# Altium PCB PCB1.PcbDoc (part 1 of 2) (continued)
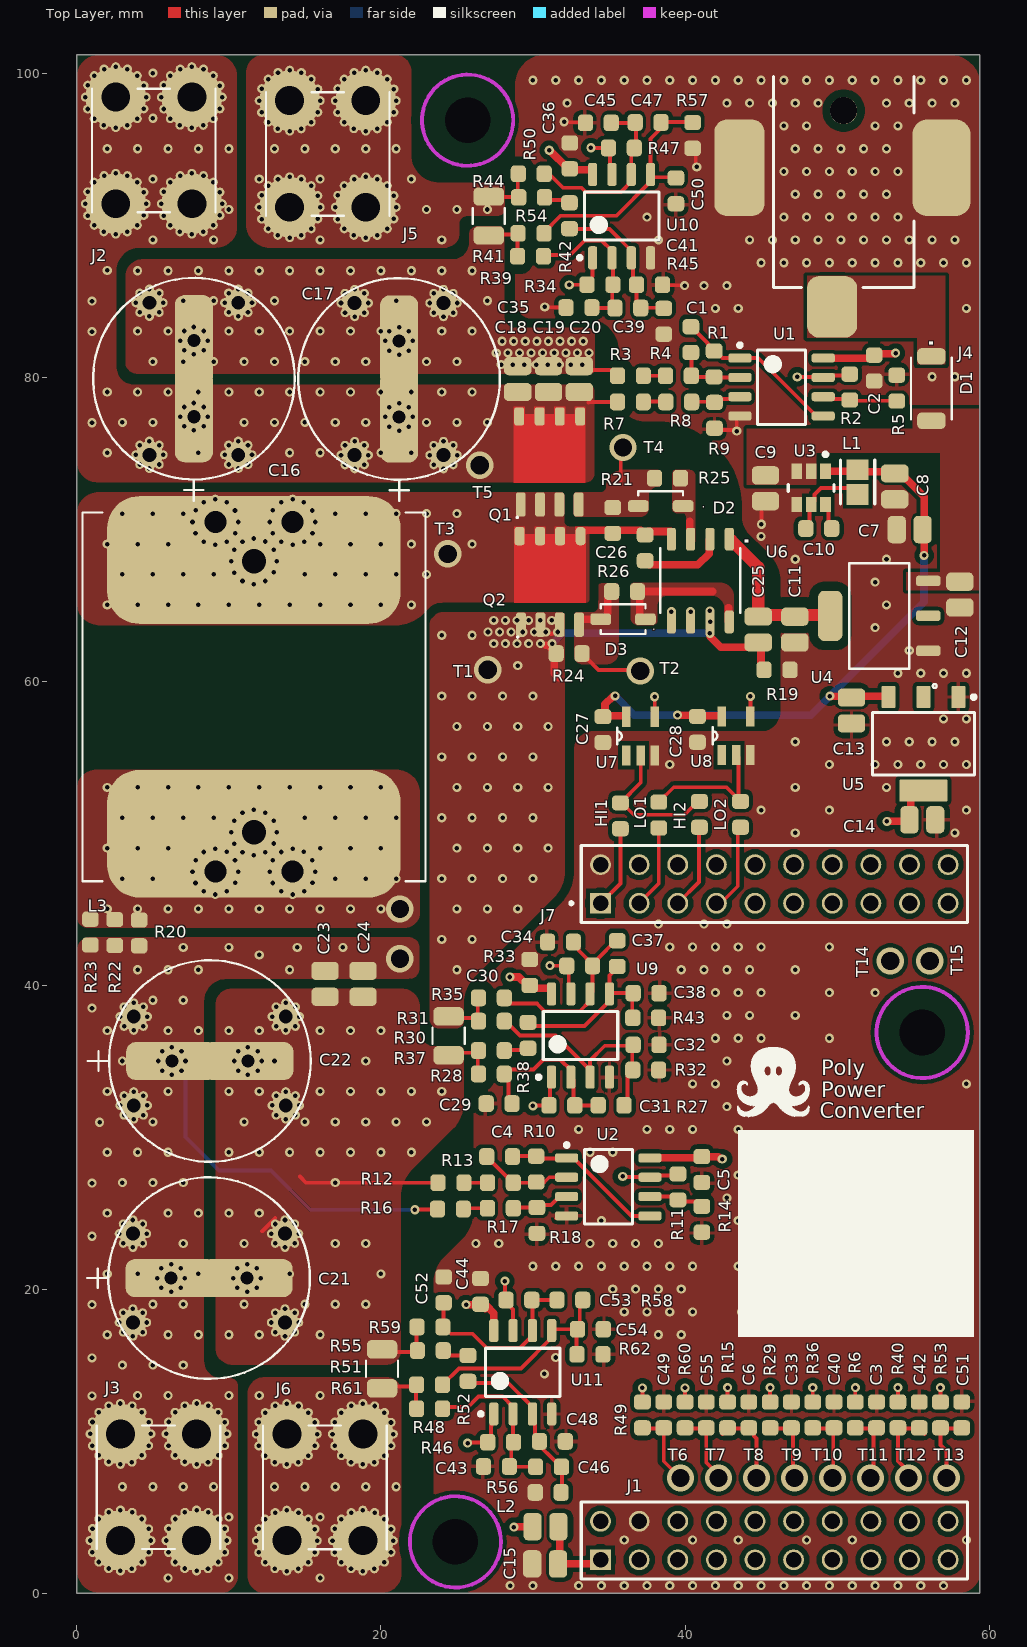
[diagram p0: Top Layer view]
## Footprints (in the part's own frame and the unit in brackets; to place one, negate y for a bottom-side part, rotate by r counter-clockwise, add the part's x,y. Pads: shape width x height; smd on the part's side, far side on the other; paste and mask are expansions set on the pad)
0603 [mm]
  rrect50% 1x1.1 smd: 1(-0.85,0) 2(0.85,0)
  body extent -0.88,-0.48 0.87,0.48, height 0.9
0805 [mm]
  rrect50% 1.8x1.2 smd: 1(0,-0.85) 2(0,0.85)
  body extent -0.68,-1.05 0.67,1.05, height 1.35
CAP_YX_10X16_RUB [mm]
  round 0.6 hole 0.3: 1(-3.407,-2.921) 1(-3.407,2.921) 1(-3.143,3.557) 1(-3.143,-2.285) 1(-3.143,2.285) 1(-3.143,-3.557) 1(-2.507,3.821) 1(-2.507,-2.021) 1(-2.507,2.021) 1(-2.507,-3.821) 1(-1.871,3.557) 1(-1.871,-2.285) 1(-1.871,2.285) 1(-1.871,-3.557) 1(-1.607,2.921) 1(-1.607,-2.921) 1(-0.9,0) 1(-0.636,-0.636) 1(-0.636,0.636) 1(0,0.9) 1(0,-0.9) 1(0.636,-0.636) 1(0.636,0.636) 1(0.9,0) 2(4.1,0) 2(4.364,-0.636) 2(4.364,0.636) 2(5,-0.9) 2(5,0.9) 2(5.636,-0.636) 2(5.636,0.636) 2(5.9,0) 2(6.593,-2.921) 2(6.593,2.921) 2(6.857,-3.557) 2(6.857,-2.285) 2(6.857,2.285) 2(6.857,3.557) 2(7.493,-3.821) 2(7.493,-2.021) 2(7.493,2.021) 2(7.493,3.821) 2(8.129,-3.557) 2(8.129,-2.285) 2(8.129,2.285) 2(8.129,3.557) 2(8.393,-2.921) 2(8.393,2.921)
  round 1.8 hole 0.914: 1(-2.507,-2.921) 1(-2.507,2.921) 2(7.493,-2.921) 2(7.493,2.921)
  rrect50% 6x2.5 smd: 1(0,0) 2(5,0)
  round 1.8 hole 0.864: 1(0,0) 2(5,0)
  rrect50% 2.5x9 smd far side: 1(0.875,0) 2(4.175,0)
  silkscreen extent -5.53,-6.63 9.13,6.63, body extent -2.75,-5.24 7.77,5.24, height 14.01
CONN_8191_KEY [mm]
  round 0.6 hole 0.3: 1(-2,0) 1(-1.853,-0.754) 1(-1.841,0.781) 1(-1.414,-1.414) 1(-1.414,1.414) 1(-0.777,1.843) 1(-0.765,-1.848) 1(0,2) 1(0,-2) 1(0.761,-1.849) 1(0.783,1.84) 1(1.414,-1.414) 1(1.414,1.414) 1(1.846,-0.769) 1(1.847,0.766) 1(2,0) 2(5.01,0) 2(5.158,-0.754) 2(5.169,0.781) 2(5.596,-1.414) 2(5.596,1.414) 2(6.233,1.843) 2(6.246,-1.848) 2(7.01,-2) 2(7.01,2) 2(7.772,-1.849) 2(7.794,1.84) 2(8.425,-1.414) 2(8.425,1.414) 2(8.857,-0.769) 2(8.858,0.766) 2(9.01,0) 3(-2,-5.004) 3(-1.853,-5.757) 3(-1.841,-4.223) 3(-1.414,-3.59) 3(-1.414,-6.418) 3(-0.777,-3.161) 3(-0.765,-6.852) 3(0,-3.004) 3(0,-7.004) 3(0.761,-6.853) 3(0.783,-3.164) 3(1.414,-3.59) 3(1.414,-6.418) 3(1.846,-5.773) 3(1.847,-4.238) 3(2,-5.004) 4(5.01,-5.004) 4(5.158,-5.757) 4(5.169,-4.223) 4(5.596,-3.59) 4(5.596,-6.418) 4(6.233,-3.161) 4(6.246,-6.852) 4(7.01,-7.004) 4(7.01,-3.004) 4(7.772,-6.853) 4(7.794,-3.164) 4(8.425,-6.418) 4(8.425,-3.59) 4(8.857,-5.773) 4(8.858,-4.238) 4(9.01,-5.004)
  round 4 hole 1.905: 1(0,0) 2(7.01,0) 3(0,-5.004) 4(7.01,-5.004)
  silkscreen extent -0.56,-6.57 7.57,1.56, body extent -0.43,-6.44 7.44,1.44, height 8.8
D8 [mm]
  rrect50% 1.5x0.6 smd: 1(-2.721,1.905) 2(-2.721,0.635) 3(-2.721,-0.635) 4(-2.721,-1.905) 5(2.721,-1.905) 6(2.721,-0.635) 7(2.721,0.635) 8(2.721,1.905)
  silkscreen extent -2.12,-2.63 2.12,2.63, body extent -3.1,-2.5 3.1,2.5, height 1.76
DCY0004A_L [mm] "SOT223, 4-Leads, Body 6.7x3.7mm, Pitch 2.3mm, IPC High Density"
  rrect11% 1.45x0.9 smd: 1(-3.075,2.3) 2(-3.075,0) 3(-3.075,-2.3)
  rrect7% 1.45x3.15 smd: 4(3.075,0)
  silkscreen extent -3.2,-3.35 2.05,3.43, body extent -3.5,-3.25 3.5,3.25, height 1.62
FP-MLZ2012-0_85-IPC_B [mm]
  rect 1.354x1.456 smd paste+0 mask+0: 1(-0.82,0) 2(0.82,0)
  silkscreen extent -1.45,-1.13 1.45,1.13, body extent -1.7,-0.98 1.7,0.98, height 0.25
FP-RASM722PTR13X-MFG [mm]
  rrect50% 3.3x4.06 smd: 1(0.76,8.65)
  rrect50% 3.81x6.35 smd: 2(-6.43,-0.49)
  rrect50% 3.3x6.35 smd: 3(6.86,-0.49)
  round 1.78 hole 1.78 unplated paste-1000 mask+0: ""(0,-4.25)
  silkscreen extent -4.63,-6.5 4.63,7.38, body extent -8.43,-7.48 8.61,10.78, height 0.25
FP-TSOT26-MFG [mm]
  rect 1x0.7 smd paste+0 mask+0: 1(-1.099,0.95) 3(-1.099,-0.95) 4(1.099,-0.95) 6(1.099,0.95)
  rect 1x0.69 smd paste+0 mask+0: 2(-1.099,0) 5(1.099,0)
  silkscreen extent -2.32,-1.5 0.22,1.5, body extent -1.7,-1.6 1.7,1.6, height 0.25
IND_PA4349.683ANLT_PUL [mm]
  round 0.6 hole 0.3: 1(-13,-2.54) 1(-13,2.54) 1(-12.797,-1.787) 1(-12.797,3.293) 1(-12.796,-3.295) 1(-12.796,1.785) 1(-12.244,-1.237) 1(-12.244,3.843) 1(-12.229,-3.851) 1(-12.229,1.229) 1(-11.5,-4.04) 1(-11.5,-1.04) 1(-11.5,1.04) 1(-11.5,4.04) 1(-10.743,-3.835) 1(-10.743,1.245) 1(-10.739,-1.248) 1(-10.739,3.832) 1(-10.415,0) 1(-10.213,0.753) 1(-10.211,-0.755) 1(-10.202,-1.788) 1(-10.202,3.292) 1(-10.199,-3.287) 1(-10.199,1.793) 1(-10,-2.54) 1(-10,2.54) 1(-9.659,1.303) 1(-9.645,-1.311) 1(-8.915,-1.5) 1(-8.915,1.5) 1(-8.159,-1.295) 1(-8.154,1.292) 1(-7.618,0.752) 1(-7.615,-0.747) 1(-7.415,0) 2(7.415,0) 2(7.618,0.753) 2(7.62,-0.755) 2(8.172,1.303) 2(8.186,-1.311) 2(8.915,-1.5) 2(8.915,1.5) 2(9.672,-1.295) 2(9.677,1.292) 2(10,-2.54) 2(10,2.54) 2(10.203,-1.787) 2(10.203,3.293) 2(10.204,-3.295) 2(10.204,1.785) 2(10.213,0.752) 2(10.216,-0.747) 2(10.415,0) 2(10.756,-1.237) 2(10.756,3.843) 2(10.771,-3.851) 2(10.771,1.229) 2(11.5,-4.04) 2(11.5,-1.04) 2(11.5,1.04) 2(11.5,4.04) 2(12.257,-3.835) 2(12.257,1.245) 2(12.261,-1.248) 2(12.261,3.832) 2(12.798,-1.788) 2(12.798,3.292) 2(12.801,-3.287) 2(12.801,1.793) 2(13,-2.54) 2(13,2.54)
  round 3 hole 1.448: 1(-11.5,-2.54) 1(-11.5,2.54) 2(11.5,-2.54) 2(11.5,2.54)
  rrect50% 8.4x19.304 smd paste+0 mask+0: 1(-9,0) 2(9,0)
  round 3 hole 1.6: 1(-8.915,0) 2(8.915,0)
  silkscreen extent -12.13,-11.28 12.13,11.28, body extent -12,-11.02 12,11.28, height 13.01
INF-PG-TDSON-8-1_V#1 [mm] "TDSON, 8-Leads, Body 6.15x5.15mm, Pitch 1.27mm"
  rrect50% 0.65x1.6 smd: 1(-1.905,-2.999) 2(-0.635,-2.999) 3(0.635,-2.999) 4(1.905,-2.999)
  rrect50% 0.65x1.2 smd: 5(2.007,2.794) 6(0.66,2.794) 7(-0.66,2.794) 8(-2.007,2.794)
  Top Layer region: -2.35,2.925 -2.35,-1.575 2.35,-1.575 2.35,2.925
  Top Layer region: -2.35,2.925 -1.65,2.925 -1.65,3.425 -2.35,3.425
  Top Layer region: 1.65,2.925 2.35,2.925 2.35,3.425 1.65,3.425
  Top Layer region: -1.015,2.925 -0.315,2.925 -0.315,3.425 -1.015,3.425
  Top Layer region: 0.315,2.925 1.015,2.925 1.015,3.425 0.315,3.425
  silkscreen extent -2.23,-3.94 -2.03,-3.74, body extent -2.58,-3.08 2.58,3.08, height 1
INF-PG-TDSON-8-1_V#2 [mm] "TDSON, 8-Leads, Body 6.15x5.15mm, Pitch 1.27mm"
  rrect50% 0.65x1.6 smd: 1(-1.905,-3.025) 2(-0.635,-3.025) 3(0.635,-3.025) 4(1.905,-3.025)
  rrect75% 0.65x1.2 smd: 5(2.007,2.794)
  rrect50% 0.65x1.2 smd: 6(0.66,2.794) 7(-0.66,2.794) 8(-2.007,2.794)
  Top Layer region: 0.315,2.925 1.015,2.925 1.015,3.425 0.315,3.425
  Top Layer region: -1.015,2.925 -0.315,2.925 -0.315,3.425 -1.015,3.425
  Top Layer region: 1.65,2.925 2.35,2.925 2.35,3.425 1.65,3.425
  Top Layer region: -2.35,2.925 -1.65,2.925 -1.65,3.425 -2.35,3.425
  Top Layer region: -2.35,2.925 -2.35,-1.575 2.35,-1.575 2.35,2.925
  silkscreen extent -2.23,-3.94 -2.03,-3.74, body extent -2.58,-3.08 2.58,3.08, height 1
M-FLAT_TOS [mil]
  rrect50% 41.87x73 smd paste+0 mask+0: 1(-83.44,0) 2(83.44,0)
  silkscreen extent -80,-53 80,53, body extent -96,-47 96,47, height 43
ONSC-SOIC-8-751-07_V [mm] "SOIC, 8-Leads, Body 4.9x3.9mm, Pitch 1.27mm"
  rrect50% 1.52x0.6 smd: 1(-2.74,1.905) 2(-2.74,0.635) 3(-2.74,-0.635) 4(-2.74,-1.905) 5(2.74,-1.905) 6(2.74,-0.635) 7(2.74,0.635) 8(2.74,1.905)
  silkscreen extent -2.86,-2.45 1.58,2.88, body extent -1.95,-2.45 1.95,2.45, height 1.75
RES_LVT12_004-020_OHM [mm]
  rrect50% 1.2x2 smd paste+0 mask+0: 1(-1.283,0) 2(1.283,0)
  silkscreen extent -0.53,-1.05 0.53,1.05, body extent -1.73,-0.93 1.73,0.93, height 0.66
SAMTEC_MTSW-110-10-L-D-310 [mm]
  rect 1.37x1.37 hole 1.02: 01(0,0)
  round 1.37 hole 1.02: 02(0,2.54) 03(2.54,0) 04(2.54,2.54) 05(5.08,0) 06(5.08,2.54) 07(7.62,0) 08(7.62,2.54) 09(10.16,0) 10(10.16,2.54) 11(12.7,0) 12(12.7,2.54) 13(15.24,0) 14(15.24,2.54) 15(17.78,0) 16(17.78,2.54) 17(20.32,0) 18(20.32,2.54) 19(22.86,0) 20(22.86,2.54)
  silkscreen extent -1.27,-1.27 24.13,3.81, body extent -1.27,-1.4 24.13,3.68, height 10.41
SOD123F_NXP [mil]
  rrect50% 53.56x30.36 smd paste+0 mask+0: 1(-58,0) 2(58,0)
  silkscreen extent -58,-39 58,-28, body extent -71,-34 71,34, height 47
SOT95P280X145-5N [mil]
  rect 52x22 smd: 1(-50,37) 2(-50,0) 3(-50,-37) 4(50,-37) 5(50,37)
  silkscreen extent -22,49 22,61
SOT223-3_ONS [mm]
  rrect50% 0.7x1.6 smd: 1(-2.299,-3.226) 2(0,-3.226) 3(2.299,-3.226)
  rrect50% 3.3x1.6 smd: TAB(0,3.225)
  silkscreen extent -4.74,-3.77 3.47,1.97, body extent -3.34,-3.64 3.34,3.64, height 1.73

## Part data
C1 C3 C4 C6 C10 C33 C40 C42 C49 C51 C55: "CAP CER 0.1UF 25V X7R 0603", Capacitance=0.1uF, Voltage Rating=25V
C2 C5 C26 C27 C28 C30 C36 C44: "Cap Ceramic 1uF 25V X7R ±10% Pad SMD 0603 +125°C T/R", Capacitance=1uF, Voltage Rating=25V
C7 C8 C12: library part TMK212BBJ106KG-T, "22 µF ±20% 25V Ceramic Capacitor X5R 0805 (2012 Metric)", Capacitance=22uF, Voltage Rating=25V
C9 C11 C13 C14 C15 C25: "Multilayer Ceramic Capacitor 10uF 25V X5R 10% SMD 0805 T/R", Capacitance=10uF, Voltage Rating=25V
C16 C17 C21 C22: "No Description Available", Capacitance=82uF, Mfr_Name=Rubycon, Voltage Rating=100V, Copyright="Copyright (C) 2022 Ultra Librarian. All rights reserved.", Digi-Key_Part_Number_1=1189-1049-ND, Manufacturer_Part_Number=100ZLJ82M10X16, RefDes=RefDes, Type=DEV
C18 C19 C20: library part GRM21BD72A225ME01L, "CAP CER 4.7UF 100V X5R 0805", Capacitance=4.7uF, Voltage Rating=100V
C23 C24: "CAP CER 2.2UF 100V X7T 0805", Capacitance=4.7uF, Voltage Rating=100V
C29 C31 C32 C34 C35 C37 C38 C39 C41 C43 C45 C46 C47 C48 C50 C52 C53 C54: Capacitance=100pF, Voltage Rating=100V
D1: "No Description Available", Mfr_Name="Toshiba Electronic Devices & Storage Co.", Number_devices_in_Package=1, Source_Package=CMS01, Copyright="Copyright (C) 2022 Ultra Librarian. All rights reserved.", Digi-Key_Part_Number_1=CMS01QTR-ND, Digi-Key_Part_Number_2=CMS01QCT-ND, Digi-Key_Part_Number_3=CMS01QDKR-ND, Manufacturer_Part_Number=CMS01(TE12L,Q,M), RefDes=RefDes, Type=DEV
D2 D3: "No Description Available", Mfr_Name=NXP, Copyright="Copyright (C) 2022 Ultra Librarian. All rights reserved.", Digi-Key_Part_Number_1=568-4125-2-ND, Digi-Key_Part_Number_2=568-4125-1-ND, Digi-Key_Part_Number_3=568-4125-6-ND, Manufacturer_Part_Number=PMEG3010EH, RefDes=RefDes, Type=DEV
HI1 HI2 LO1 LO2 R2 R11 R19 R20 R22 R23 R38 R42 R52: "RES SMD 0 OHM JUMPER 1/10W 0603", Resistance=0Ω
J1 J7: Package=None, Availability=Unavailable, MP=MTSW-110-10-L-D-310, Price=None
J2 J3 J5 J6: "TERM SCREW 6-32 4 PIN PCB", Mfr_Name="Keystone Electronics", Copyright="Copyright (C) 2022 Ultra Librarian. All rights reserved.", Digi-Key_Part_Number_1=36-8191-ND, Digi-Key_Part_Number_2=8191K-ND, Digi-Key_Part_Number_3=36-8191-NDL, Manufacturer_Part_Number=7691, RefDes=RefDes, Type=DEV
J4: library part CMP-47995-000002-1, "CONN PWR JACK 2.1X5.5MM SOLDER", Case/Package=SMD/SMT, Color=Black, Current Rating=5A, Package Quantity=120, Connector Type=Jack, Contact Material="Copper Alloy", Contact Plating=Tin, Gender=Male, Housing Color=Black, Housing Material=Thermoplastic, Mount="Surface Mount", Shielding=Unshielded, Termination=Solder
L1: library part CMP-08253-000349-1, "Shielded Multilayer Inductor 4.7uH ±20% 500mA 390mΩ SMD 0805", Case Code (Imperial)=0805, Case Code (Metric)=2012, Current Rating=500mA, DC Resistance (DCR)=390mR, Inductance=4.7uH, Max Operating Temperature=125°C, Min Operating Temperature=-55°C, Package Quantity=1, Saturation Current=180mA, Self Resonant Frequency=70MHz, Test Frequency=2MHz, Tolerance=20%, Case/Package=0805, Core Material=Ferrite, Height - Seated (Max)=0.041inch, Lead Free="Lead Free", Length=0.079inch, Mount="Surface Mount", Packaging="Tape and Reel", RoHS Compliant=Yes, Shielding=Shielded, Width=0.049inch
L2: "Shielded Multilayer Inductor 470nH ±20% 700mA 234mΩ SMD 0805", Inductance=470nH
L3: "No Description Available", Inductance=68uH, Mfr_Name="Pulse Electronics Corporation", Copyright="Copyright (C) 2022 Ultra Librarian. All rights reserved.", Manufacturer_Part_Number=PA4349.683ANLT
Q1 Q2: library part CMP-1091-00070-1, "N-Channel 150 V 64A (Tc) 960mW (Ta), 210W (Tc) Surface Mount 8-SOP Advance (5x5)", Manufacturer=Infineon, PartNumber="BSC240N12NS3 G", ComponentLink1Description="Manufacturer URL", ComponentLink1URL=http://www.infineon.com/, ComponentLink2Description=Datasheet, ComponentLink2URL=http://www.infineon.com/dgdl/BSC240N12NS3+Rev2.pdf?folderId=db3a304313b8b5a60113cee8763b02d7&fileId=db3a30432a40a650012a42e6a9060027, ComponentLink3Description="Package Specification", ComponentLink3URL=http://www.infineon.com/cms/packages/SMD_-_Surface_Mounted_Devices/P-PG-TDSON/P-PG-TDSON-08-01x_2x_3.html?__locale=en, DatasheetVersion="Rev. 2.0", Green=TRUE, Halogen-free=TRUE, ID (max)="37Â A", IDpuls (max)="148Â A", Mounting Technology="Surface Mount", PackageDescription="8-Pin Plastic (Green) Thin Dual Small Outline Non-Leaded Package, 5.15 x 5.9 mm Body, 1.27 mm Pitch", PackageReference=PG-TDSON-8-1, Packing=Reel, Polarity=N, Ptot (max)="66Â W", QG="20Â nC", RDS (on) (max)="24Â mOhm", Rth="1.9Â K/W", RthJA (max)="50Â K/W", RthJC (max)="1.9 K/W", VDS (max)="120Â V", VGS(th) (max)="4Â V", VGS(th) (min)="2Â V"
R1 R9 R10 R18: "RES SMD 44.2K OHM 1% 1/10W 0603", Resistance=44.2KΩ
R3 R4 R7 R8 R12 R13 R16 R17 R27 R32 R33 R34 R43 R45 R46 R47 R56 R57 R58 R62: Resistance=330KΩ
R5 R14: "RES SMD 0 OHM JUMPER 1/10W 0603", Resistance=DNP
R6 R15 R25 R26 R29 R36 R40 R49 R53 R60: "RES 10 OHM 5% 1/10W 0603", Resistance=10Ω
R21 R24 R28 R31 R35 R37 R39 R44 R48 R50 R54 R55 R59 R61: "10kΩ ±1% 0.125W 0603 High Power Anti-Sulfur Thin Film Chip Resistor", Resistance=10KΩ
R30 R41 R51: "No Description Available", Mfr_Name=Ohmite, Resistance=5mΩ, Copyright="Copyright (C) 2022 Ultra Librarian. All rights reserved.", Digi-Key_Part_Number_1=LVT12R0050FERTR-ND, Digi-Key_Part_Number_2=LVT12R0050FERCT-ND, Digi-Key_Part_Number_3=LVT12R0050FERDKR-ND, Manufacturer_Part_Number=LVT12R0050FER, RefDes=RefDes, Type=DEV
U1 U2: library part CMP-1310-00228-1, "Single Supply Dual Operational Amplifier, 3 to 32 V, -40 to 125 degC, 8-Pin SOIC, Pb-Free, Tape and Reel", Manufacturer="On Semiconductor", ComponentLink1Description="Manufacturer URL", ComponentLink1URL=http://www.onsemi.com/, ComponentLink2Description=Datasheet, ComponentLink2URL=http://www.onsemi.cn/pub_link/Collateral/LM358-D.PDF, ComponentLink3Description="Package Specification", ComponentLink3URL=http://www.onsemi.com/pub_link/Collateral/751-07.PDF, DatasheetVersion="Rev. 27", Mounting Technology="Surface Mount", PackageDescription="8-Pin Small Outline Integrated Circuit, Body 4.9 x 3.9 mm, Pitch 1.27 mm", PackageReference=SOIC-8-751-07, PackageVersion="Rev. AK, 02/2011", Packing="Tape and Reel", PartNumber=NCV2904DR2G, RoHS=TRUE, VCC Max (V)=32, VCC Min (V)=3
U3: library part CMP-12757-000001-1, "IC REG BUCK 5V 2A TSOT26", Ambient Temperature Range High=+85°C, Ambient Temperature Range Low=-40°C, Manufacturer="Diodes Inc.", Max Junction Temp=+160°C, Max Supply Voltage=32V, Min Supply Voltage=3.8V, Nominal Supply Current=22uA, Output Current=2A, Output Voltage=5V, Package=TSOT26, Switching Frequency=1100kHz, Temperature="-40°C to +85°C", Automotive=No, Category=IC, ComponentLink2Description=Datasheet, ComponentLink2URL=https://www.diodes.com/assets/Datasheets/AP63200-AP63201-AP63203-AP63205.pdf, Device Class L1="Integrated Circuits (ICs)", Device Class L2="Power Management ICs", Device Class L3="Voltage Regulators - Switching", Digikey Description="IC REG BUCK 5V 2A TSOT26", Footprint Url=https://www.diodes.com/assets/Package-Files/TSOT26.pdf, Height=1mm, Lead Free=Yes, Manufacturer Part Number=AP63205WU-7, Max Duty Cycle=100%, Number of Outputs=1, Octopart=https://octopart.com/ap63205wu-7-diodes+inc.-98099551, Output Type=Fixed, RoHS=TRUE, Standoff Height=0.01mm, Switching Topology=Buck, Temperature Range High=+85°C, Temperature Range Low=-40°C
U4: "No Description Available", Mfr_Name=onsemi, Copyright="Copyright (C) 2022 Ultra Librarian. All rights reserved.", Digi-Key_Part_Number_1=2156-NCP1117ST12T3G-OS-ND, Digi-Key_Part_Number_3=NCP1117ST12T3GOSCT-ND, Digi-Key_Part_Number_4=NCP1117ST12T3GOSDKR-ND, Digi-Key_Part_Number_5=NCP1117ST12T3GOSTR-ND, Manufacturer_Part_Number=NCP1117ST12T3G, RefDes=RefDes, Type=DEV
U5: library part CMP-0062-01639-4, "IC REG LINEAR 3.3V 800MA SOT223", Manufacturer=onsemi, PackageTopMarking=XYTT*N05A, PowerWise=N, Code_IPC=SOT223-4, Code_JEDEC=TO-261-AA, ComponentLink1Description="Datasheet URL", ComponentLink1URL=http://www.ti.com/general/docs/lit/getliterature.tsp?genericPartNumber=LM1117-N&fileType=pdf, CompType="LDO IC", High-Reliability=Y, PackageDescription="Molded SOT-223, 6.50 x 3.56 x 1.6mm Body, 4 Lead, 2.3mm Pitch", PackageReference=DCY0004A, PartNumber=LM1117MPX-33NOPB, PinCount=4, RoHS=Y
U6: library part UCC27210D, "IC GATE DRVR HALF-BRIDGE 8SOIC", Mfr_Name="Texas Instruments", Copyright="Copyright (C) 2022 Ultra Librarian. All rights reserved.", Digi-Key_Part_Number_1=296-30015-5-ND, Digi-Key_Part_Number_2=2156-UCC27210D-ND, Manufacturer_Part_Number=UCC27210D, RefDes=RefDes, Type=DEV
U7 U8: "Buffer, Non-Inverting 1 Element 1 Bit per Element Push-Pull Output SOT-25", Package="SOT-753 Diodes Inc.", Digi-Key_Part_Number=74LVC1G17W5-7CT-ND, DigiKey-Purchase-URL=https://snapeda.com/shop?store=DigiKey&id=277150, MF="Diodes Inc.", Mouser-Purchase-URL=https://snapeda.com/shop?store=Mouser&id=277150, MP=74LVC1G17W5-7, SnapEDA_Link=https://www.snapeda.com/parts/74LVC1G17W5-7/Diodes%20Inc./view-part/277150/?ref=snap
U9 U10 U11: library part CMP-1310-00346-1, "Single Supply, High Slew Rate, Low Input Offset Voltage Operational Amplifier, 3 to 36 V, -40 to 85 degC, 8-Pin SOIC, Pb-Free, Tape and Reel", Manufacturer="On Semiconductor", ComponentLink1Description="Manufacturer URL", ComponentLink1URL=http://www.onsemi.com/, ComponentLink2Description=Datasheet, ComponentLink2URL=http://www.onsemi.cn/pub_link/Collateral/MC33272A-D.PDF, ComponentLink3Description="Package Specification", ComponentLink3URL=http://www.onsemi.com/pub_link/Collateral/751-07.PDF, DatasheetVersion="Rev. 14", GBW Typ (MHz)=24, Mounting Technology="Surface Mount", PackageDescription="8-Pin Small Outline Integrated Circuit, Body 4.9 x 3.9 mm, Pitch 1.27 mm", PackageReference=SOIC-8-751-07, PackageVersion="Rev. AK, 02/2011", Packing="Tape and Reel", PartNumber=MC33272ADR2G, RoHS=TRUE, SR Typ (V/uS)=10, VCC Max (V)=36, VCC Min (V)=3

## Free pads (board coordinates)
  round 0.4 hole 3: 10(24.9,3.4) 10(25.7,96.9) 10(55.6,36.9)

## Via types
v1: diameter 0.6, hole 0.3, Top Layer to Bottom Layer, 610 vias
v2: diameter 1.8, hole 1.2, Top Layer to Bottom Layer, 17 vias

## Nets (pads, with @x,y where several pads share a name; then routed paths per layer and width w, separated by ;. In a path a pad name is that pad's centre, name@x,y a point inside that pad or via, vN(x,y) a via of type N, cw(c..) or ccw(c..) an arc to the next point about the centre after c; other vN are vias at no path point)
3V3: C2.1 C5.1 C14.1 C30.1 C36.1 C44.1 L2.2 U1.8 U2.8 U5.4 U9.8 U10.8 U11.8 | length 24.6
  Top Layer w0.254: v1(25.6,19) v1@25.612,18.988 ; C44.1@26.4,18.875 26.572,18.703 C44.1@26.848,18.703 ; C44.1@26.513,18.988 C44.1@26.55,19.025 ; C30.1@29.436,40.044 29.603,40.044 C30.1@29.821,39.826 ; L2.2@29.9,4.475 L2.2@29.975,4.4 ; U9.8@31.049,39.815 31.221,39.643 U9.8@31.221,39.443 ; v1(31.075,94.925) v1@31.087,94.925 ; U9.8@31.175,39.936 U9.8@31.221,39.89 ; C36.1@32.313,93.7 C36.1@32.425,93.7 C36.1@32.475,93.65 ; U10.8@33.756,93.65 33.927,93.479 U10.8@33.927,93.329 ; v1@42.356,28.575 v1(42.45,28.575) ; C2.1@52.437,81.444 C2.1@52.529,81.536 ; v1@53.805,81.536 v1(53.847,81.578)
  Top Layer w0.5: v1@25.612,18.988 C44.1@26.513,18.988 ; C44.1@26.5,19.225 C44.1@26.55,19.025 ; C44.1@26.722,18.853 C44.1@26.85,18.725 ; C44.1@26.95,18.916 27.422,18.444 U11.8@27.422,17.294 ; v1(28.486,40.551) 29.07,40.551 C30.1@29.587,40.033 ; v1(28.75,4.375) 28.763,4.388 29.812,4.388 L2.2@29.9,4.475 ; C30.1@29.972,39.815 U9.8@31.049,39.815 ; v1@31.087,94.925 C36.1@32.313,93.7 ; C36.1@32.475,93.65 U10.8@33.756,93.65 ; U2.8@37.695,28.65 40.694,28.65 C5.1@40.91,28.865 ; C5.1@41.11,28.741 42.191,28.741 v1@42.356,28.575 ; U1.8@49.09,81.255 52.073,81.255 52.337,81.519 C2.1@52.437,81.519 ; C2.1@52.529,81.536 v1@53.805,81.536 ; v1(53.275,50.786) 53.294,50.806 54.775,50.806 54.856,50.886 U5.4@54.856,52.213
3V3_D: C15.1 J1.01 L2.1 | length 5.4
  Top Layer w0.254: C15.1@31.65,1.95 C15.1@31.762,2.063 ; L2.1@31.675,4.4 L2.1@31.762,4.313 ; J1.01@34.175,1.95 J1.01@34.445,2.22
  Top Layer w0.5: C15.1@31.65,1.95 J1.01@34.175,1.95 ; C15.1@31.762,2.063 L2.1@31.762,4.313
5V: C7.1 C8.1 C13.1 C27.1 C28.1 L1.2 U3.1 U5.3 U7.5 U8.5 | length 48.2
  Top Layer w0.254: C27.1@34.568,57.707 C27.1@34.6,57.675 C27.1@34.65,57.725 ; U7.5@36.085,57.725 U7.5@36.145,57.665 ; C28.1@40.716,57.788 C28.1@40.816,57.688 C28.1@40.866,57.738 ; U8.5@42.372,57.738 U8.5@42.427,57.683 ; C13.1@50.85,59.025 C13.1@50.95,58.925 C13.1@51.05,59.025 ; L1.2@51.35,73.92 L1.2@51.504,73.766 ; U5.3@53.318,59.025 U5.3@53.381,58.961 ; C8.1@53.695,73.766 C8.1@53.795,73.666 C8.1@54.195,73.666 ; C7.1@55.725,70.075 C7.1@55.625,69.975 C7.1@55.736,69.864
  Top Layer w0.5: C27.1@34.568,57.707 34.736,57.874 34.736,58.475 35.279,59.018 35.381,59.018 v1(35.4,59.037) ; C27.1@34.65,57.725 U7.5@36.085,57.725 ; v1(39.504,57.775) 39.523,57.757 40.685,57.757 C28.1@40.716,57.788 ; C28.1@40.866,57.738 U8.5@42.372,57.738 ; U3.1@49.241,73.818 L1.2@51,73.818 ; v1(49.525,59.025) C13.1@50.85,59.025 ; C13.1@51.05,59.025 U5.3@53.318,59.025 ; L1.2@51.504,73.766 C8.1@53.695,73.766 ; C8.1@54.195,73.666 55.725,72.136 C7.1@55.725,70.075 ; v1(55.725,68.274) 55.725,69.853 C7.1@55.736,69.864
  Bottom Layer w0.254: v1@39.461,57.732 v1(39.504,57.775)
  Bottom Layer w0.5: v1(35.4,59.037) 36.662,57.775 39.458,57.775 39.472,57.761 v1@39.472,57.742 ; v1(39.504,57.775) 48.275,57.775 v1(49.525,59.025) 55.72,65.22 v1@55.72,68.274
12V: C11.1 C25.1 U4.TAB U6.1 | length 10.2
  Top Layer w0.254: C11.1@47.225,64.25 C11.1@47.325,64.35 ; U4.TAB@49.025,64.35 U4.TAB@49.2,64.525
  Top Layer w0.5: U6.1@42.911,69.344 42.921,69.355 U6.1@42.911,69.355
  Top Layer w0.8: U6.1@43.04,69.278 44.815,67.503 C25.1@44.815,64.403 ; C25.1@44.815,64.253 44.91,64.349 46.901,64.349 C11.1@46.997,64.253 ; C11.1@47.1,64.35 U4.TAB@49.025,64.35
15V: C9.1 C12.1 D1.2 U3.2 U3.3 U4.3
ADC1: C49.1 J1.06 R49.2 | length 7.8
  Top Layer w0.254: R49.2@37.2,10.9 37.25,10.85 C49.1@38.3,10.85 ; C49.1@38.3,10.8 38.6,10.5 38.6,8.7 v2(39.7,7.6)
  Layer 1 w0.254: J1.06@39.525,4.76 39.612,4.848 39.612,7.588 v2@39.6,7.6
ADC2: C55.1 J1.08 R60.2 | length 8.3
  Top Layer w0.254: R60.2@39.719,10.619 R60.2@40,10.9 40.05,10.85 41.35,10.85 C55.1@41.4,10.8 ; C55.1@41.4,10.9 C55.1@41.4,10.8 ; v2(42.2,7.6) 42.2,7.812 41.4,8.612 C55.1@41.4,10.8
  Layer 1 w0.254: J1.08@42.065,4.76 42.132,4.828 42.132,7.468 v2@42.1,7.5
ADC3: C6.1 J1.10 R15.2 | length 8.3
  Top Layer w0.254: R15.2@42.453,10.486 42.817,10.85 C6.1@44.15,10.85 ; C6.1@44.1,10.8 44.233,10.8 44.547,10.486 44.547,10.353 44.7,10.2 v2(44.7,7.6)
  Layer 1 w0.254: J1.10@44.605,4.76 44.652,4.808 44.652,7.552 v2(44.7,7.6)
ADC4: C33.1 J1.12 R29.2 | length 7.7
  Top Layer w0.254: R29.2@45.587,10.787 45.65,10.85 46.95,10.85 C33.1@47,10.9 C33.1@47.049,10.851 ; C33.1@47,10.8 47.1,10.7 47.1,7.7 v2(47.2,7.6)
  Layer 1 w0.254: J1.12@47.145,4.76 47.172,4.788 47.172,7.472 v2@47.3,7.6
ADC5: C40.1 J1.14 R36.2 | length 7.5
  Top Layer w0.254: R36.2@48.6,10.7 48.45,10.85 49.75,10.85 C40.1@49.8,10.9 ; v2(49.7,7.6) 49.75,7.65 49.75,10.55 C40.1@49.9,10.7
  Layer 1 w0.254: J1.14@49.685,4.76 49.692,4.768 49.692,7.492 v2@49.7,7.5
ADC6: C3.1 J1.16 R6.2 | length 8.2
  Top Layer w0.254: R6.2@51.2,10.9 51.25,10.85 52.55,10.85 C3.1@52.587,10.813 ; v2(52.2,7.6) 52.4,7.8 52.4,10.5 C3.1@52.7,10.8 ; C3.1@52.667,10.767 C3.1@52.902,10.531
  Layer 1 w0.254: v2@52.1,7.7 52.212,7.588 52.212,4.773 J1.16@52.225,4.76
ADC7: C42.1 J1.18 R40.2 | length 8.4
  Top Layer w0.254: v2(54.7,7.6) 54.7,8.012 54,8.712 R40.2@54,10.9 54.05,10.85 55.383,10.85 C42.1@55.747,10.486
  Layer 1 w0.254: J1.18@54.765,4.76 54.732,4.793 54.732,7.532 v2@54.8,7.6
ADC8: C51.1 J1.20 R53.2 | length 8.1
  Top Layer w0.254: R53.2@56.8,10.9 56.85,10.85 58.183,10.85 C51.1@58.4,10.633 ; R53.2@56.9,10.8 56.8,10.7 56.8,9.774 57.2,9.374 v2(57.2,7.6)
  Layer 1 w0.254: v2@57.2,7.7 57.252,7.648 57.252,4.813 J1.20@57.305,4.76
DAC1: J7.18 | length 6.9
  Layer 1 w0.254: v2(53.5,41.6) 53.5,46.675 J7.18@54.765,47.94
DAC2: J7.20 | length 6.8
  Layer 1 w0.254: v2(56.1,41.6) 56.1,46.735 J7.20@57.305,47.94
GND: J5.1 J5.2 J5.3 J5.4 R41.1 R44.1 R50.1 | length 3.3
  Top Layer w0.254: R41.1@27.128,91.853 29.032,91.853 29.002,91.883 29.002,93.226 R50.1@29.043,93.266
  other v1: 16,89.025 24,89.025 23,91.025 25,91.025 27,91.025 12,93.025 16,93.025 22,93.025 13,95.025 15,95.025 17,95.025 19,95.025 21,95.025
GND_AD: C2.2 C3.2 C5.2 C6.2 C7.2 C8.2 C9.2 C11.2 C12.2 C13.2 C14.2 C15.2 C27.2 C28.2 C29.1 C30.2 C32.2 C33.2 C34.1 C35.1 C36.2 C38.2 C40.2 C41.2 C42.2 C43.1 C44.2 C45.1 C48.2 C49.2 C50.2 C51.2 C52.1 C54.2 C55.2 J1.04 J4.2 J4.3 J7.02 R5.1 R9.1 R14.1 R18.1 R19.1 R32.1 R43.1 R45.1 R56.1 R57.1 R62.1 U1.4 U2.4 U3.4 U4.1 U5.1 U7.3 U8.3 U9.4 U10.4 U11.4 | length 13.7
  Top Layer w0.254: C43.1@26.75,8.324 C43.1@26.75,8.358 ; R18.1@30.26,23.69 R18.1@30.36,23.69 ; v1(30.775,84.625) 30.8,84.6 32.15,84.6 C35.1@32.175,84.575 ; U11.4@31.232,11.814 U11.4@31.251,11.833 ; U2.4@31.501,24.681 32.056,24.681 U2.4@32.215,24.84 ; v1(32.05,96.8) 32.087,96.762 33.413,96.762 C45.1@33.45,96.725 ; C48.2@32.285,9.848 C48.2@32.125,10.008 C48.2@32.425,10.308 ; U9.4@35.031,34.423 U9.4@35.031,33.963 U9.4@35.14,34.072 ; U10.4@37.737,87.849 37.737,87.403 U10.4@37.909,87.232 ; C41.2@38.431,86.083 C41.2@38.554,86.206 ; C41.2@38.515,86.072 38.538,86.048 39.952,86.048 v1(39.975,86.025) ; R57.1@40.5,95.05 40.709,94.841 40.709,93.891 v1(40.775,93.825) ; R14.1@41.11,23.765 R14.1@41.135,23.74 ; C55.2@41.33,12.67 C55.2@41.4,12.6 ; R9.1@41.937,76.644 42.065,76.516 43.334,76.516 v1(43.4,76.45) 43.4,77.274 43.571,77.445 U1.4@43.61,77.445 ; v1(45.025,70.325) 45.025,71.571 C9.2@45.295,71.841 ; C33.2@46.93,12.67 C33.2@47,12.6 ; C40.2@49.73,12.67 C40.2@49.8,12.6 ; C3.2@52.53,12.67 C3.2@52.6,12.6 ; R5.1@53.912,80.138 R5.1@53.925,80.125 ; C42.2@55.33,12.67 C42.2@55.4,12.6 ; C51.2@58.13,12.67 C51.2@58.2,12.6
  other v1: 28.5,0.525 30,0.525 33,0.525 34.5,0.525 36,0.525 37.5,0.525 39,0.525 40.5,0.525 42,0.525 43.5,0.525 45,0.525 46.5,0.525 48,0.525 49.5,0.525 51,0.525 52.5,0.525 54,0.525 55.5,0.525 57,0.525 36,3.525 40.5,3.525 43.5,3.525 48,3.525 51,3.525 58.5,3.525 30.75,14.45 31.5,15.525 38.25,17.025 39.75,17.025 36,18.525 37.5,18.525 39,18.525 40.5,18.525 43.727,18.525 35.25,20.025 36.75,20.025 38.25,20.025 39.75,20.025 30,21.525 31.5,21.525 33,21.525 34.5,21.525 36,21.525 37.5,21.525 39,21.525 40.5,21.525 43.5,21.525 26.25,23.025 27.75,23.025 33.75,23.025 35.25,23.025 36.75,23.025 38.25,23.025 34.5,24.525 43.5,24.525 42.75,26.025 43.5,27.525 33.75,29.025 35.25,29.025 33,30.525 37.5,30.525 39,30.525 40.5,30.525 43.5,30.525 42.75,32.025 40.5,33.525 42,33.525 58.5,33.525 42.75,35.025 42,36.525 43.5,36.525 45,36.525 49.5,36.525 42.75,38.025 44.25,38.025 47.25,38.025 42,39.525 43.5,39.525 45,39.525 49.5,39.525 52.5,39.525 39.75,41.025 41.25,41.025 42.75,41.025 44.25,41.025 47.25,41.025 39,42.525 40.5,42.525 42,42.525 43.5,42.525 45,42.525 49.5,42.525 38.25,44.025 41.25,44.025 42.75,44.025 47.25,50.025 57.75,50.025 45,51.525 49.5,51.525 58.5,51.525 47.25,53.025 53.25,53.025 39,54.525 49.5,54.525 52.5,54.525 54,54.525 55.5,54.525 57,54.525 58.5,54.525 47.25,56.025 53.25,56.025 54.75,56.025 56.25,56.025 57.75,56.025 57,57.525 58.5,57.525 54,60.525 55.5,60.525 57,60.525 58.5,60.525 54.75,62.025 52.5,63.525 53.25,65.025 52.5,66.525 47.25,68.025 53.25,68.025 45,69.525 56.25,80.025 57.75,80.025 42,84.525 43.5,84.525 58.5,84.525 41.25,86.025 42.75,86.025 45,87.525 46.5,87.525 48,87.525 49.5,87.525 51,87.525 52.5,87.525 54,87.525 55.5,87.525 57,87.525 58.5,87.525 38.25,89.025 44.25,89.025 45.75,89.025 47.25,89.025 48.75,89.025 50.25,89.025 51.75,89.025 53.25,89.025 54.75,89.025 56.25,89.025 57.75,89.025 37.5,90.525 46.5,90.525 48,90.525 49.5,90.525 51,90.525 52.5,90.525 54,90.525 47.25,92.025 48.75,92.025 50.25,92.025 51.75,92.025 53.25,92.025 46.5,93.525 48,93.525 49.5,93.525 51,93.525 52.5,93.525 54,93.525 47.25,95.025 48.75,95.025 50.25,95.025 51.75,95.025 53.25,95.025 46.5,96.525 48,96.525 52.5,96.525 54,96.525 32.25,98.025 42.75,98.025 44.25,98.025 45.75,98.025 47.25,98.025 48.75,98.025 53.25,98.025 54.75,98.025 56.25,98.025 57.75,98.025 30,99.525 31.5,99.525 33,99.525 34.5,99.525 36,99.525 37.5,99.525 39,99.525 40.5,99.525 42,99.525 43.5,99.525 45,99.525 46.5,99.525 48,99.525 49.5,99.525 51,99.525 52.5,99.525 54,99.525 55.5,99.525 57,99.525 58.5,99.525
GND_P: C16.2 C17.2 C18.2 C19.2 C20.2 C25.2 Q2.1 Q2.2 Q2.3 R3.1 R19.2 R24.1 R30.1 R31.1 R35.1 R39.1 R41.2 R54.1 U6.7 | length 31.3
  Top Layer w0.254: R30.1@24.601,37.996 24.734,37.863 26.285,37.863 R31.1@26.368,37.78 ; R31.1@26.418,37.73 R31.1@26.368,37.78 ; R35.1@26.418,39.127 26.368,39.077 R31.1@26.368,37.78 ; R41.2@27.099,89.316 27.168,89.386 28.954,89.386 R54.1@28.974,89.406 ; R39.1@29.024,88.059 28.974,88.109 R54.1@28.974,89.406 ; R54.1@29.024,89.456 R54.1@28.974,89.406 ; 31.181,63.087 31.244,63.151 31.565,63.151 31.76,63.346 Q2.3@31.76,63.725 Q2.3@31.76,63.925 ; C20.2@33.05,80.725 33.3,80.475 35.109,80.475 35.495,80.088 R3.1@35.562,80.088 R3.1@35.558,80.084
  Top Layer w0.5: 30.85,62.375 30.869,62.356 30.994,62.356 R24.1@31.525,61.825 31.394,61.694 31.394,60.518 31.687,60.225 ; v1(41.641,63.152) 41.66,63.133 41.66,62.915 42.348,62.227 44.488,62.227 C25.2@44.815,62.553 45,62.368 45,60.95 R19.2@45.2,60.75
  Bottom Layer w0.5: v1(31.26,62.479) 31.933,63.152 v1(41.641,63.152) 41.65,63.161 v1(41.65,63.9) 41.645,63.905 41.645,64.624 v1(41.641,64.629)
  other v1: 25,41.025 24,43.025 26,43.025 25,45.025 27,45.025 29,45.025 24,47.025 26,47.025 28,47.025 30,47.025 25,49.025 27,49.025 29,49.025 31,49.025 24,51.025 26,51.025 28,51.025 30,51.025 25,53.025 27,53.025 29,53.025 31,53.025 24,55.025 26,55.025 28,55.025 30,55.025 25,57.025 27,57.025 29,57.025 31,57.025 24,59.025 26,59.025 28,59.025 30,59.025 29,61.025 27.425,62.476 28.187,62.476 28.949,62.476 29.711,62.476 30.485,62.476 24,63.025 26,63.025 27.044,63.238 27.806,63.238 28.568,63.238 29.33,63.238 30.092,63.238 30.854,63.238 31.616,63.238 27.425,64 28.187,64 28.949,64 29.711,64 30.473,64 31.235,64 27.916,80.829 28.678,80.829 29.44,80.829 30.202,80.829 30.964,80.829 31.726,80.829 32.488,80.829 33.25,80.829 5,81.025 7,81.025 9,81.025 11,81.025 13,81.025 15,81.025 17,81.025 19,81.025 23,81.025 25,81.025 27.589,81.6 28.351,81.6 29.113,81.6 29.875,81.6 30.637,81.6 31.399,81.6 32.161,81.6 32.923,81.6 33.685,81.6 27.97,82.362 28.732,82.362 29.494,82.362 30.256,82.362 31.018,82.362 31.78,82.362 32.542,82.362 33.304,82.362 4,83.025 6,83.025 10,83.025 12,83.025 14,83.025 16,83.025 18,83.025 20,83.025 24,83.025 26,83.025 7,85.025 9,85.025 13,85.025 21,85.025 27,85.025 4,87 6,87 8,87 10,87 12,87 14,87 16,87 18,87 20,87 22,87 24,87 26,87
  other v2: 27.025,60.75
HO_1: D2.1 R25.1 U6.3 | length 1.2
  Top Layer w0.5: 40.321,70.504 40.321,69.394 U6.3@40.371,69.344
HO_2: D2.2 Q1.4 R21.2 R25.2 | length 2.4
  Top Layer w0.254: 35.775,73.2 35.775,75.225 cw(c35.925,75.225) v2(35.925,75.375) ccw(c35.925,75.3) v2@35.85,75.3
HPWM: HI1.1 HI2.1 U7.2 | length 9.6
  Top Layer w0.254: U7.2@37.085,55.125 37.085,54.415 37.085,53.335 HI1.1@35.75,52 35.85,52 36.631,51.219 39.969,51.219 40.85,52.1 HI2.1@40.95,52.1
HPWM1: HI1.2 J7.01 | length 5.4
  Top Layer w0.254: J7.01@34.445,45.4 35.75,46.705 HI1.2@35.75,50.3
HPWM2: HI2.2 J7.05 | length 5.6
  Top Layer w0.254: J7.05@39.525,45.4 40.928,46.803 40.928,50.378 HI2.2@40.95,50.4
HPWM_5V: U6.5 U7.4 | length 7.4
  Top Layer w0.254: v1(37.997,58.978) 38.011,58.964 38.011,57.679 U7.4@38.025,57.665
  Layer 1 w0.254: v1(37.997,58.978) 39.101,60.082 v1(39.101,64.584)
HS: C26.2 L3.2 Q1.1 Q1.2 Q1.3 Q2.5 Q2.6 Q2.7 Q2.8 R21.1 U6.4 | length 7.2
  Top Layer w0.5: Q2.5@33.132,69.544 33.132,69.819 33.207,69.894 33.469,69.894 33.499,69.925 34.875,69.925 35.15,69.65 35.25,69.65 35.525,69.925 37.075,69.925 37.238,69.762 C26.2@37.375,69.625 37.6,69.85 39.045,69.85 39.101,69.794 U6.4@39.101,69.344
  other v1: 2,65.025 4,65.025 6,65.025 8,65.025 10,65.025 12,65.025 14,65.025 16,65.025 18,65.025 20,65.025 22,65.025 3,67.025 5,67.025 7,67.025 9,67.025 15,67.025 17,67.025 19,67.025 21,67.025 23,67.025 2,69.025 4,69.025 6,69.025 16,69.025 18,69.025 20,69.025 22,69.025 26,69.025 3,71.025 5,71.025 7,71.025 17,71.025 19,71.025 21,71.025 23,71.025 25,71.025
  other v2: 24.4,68.375
LO_1: D3.1 R26.1 U6.8 | length 8
  Top Layer w0.5: R26.1@36.875,65.9 41.806,65.9 ; R26.1@36.903,65.734 37.02,65.616 37.02,64.337 37.274,64.083 D3.1@37.399,64.083 D3.1@37.263,64.219 ; 42.861,64.846 42.861,63.952 U6.8@42.911,63.902